# Altium PCB BreakOutBoard_Cyclone.PcbDoc (part 2 of 6)
Units mm, origin at the board's own origin, x right, y up, seen from the top; angles counter-clockwise.
Board outline 360 x 235.6 mm, 2 copper layers (Top Layer, Bottom Layer); 147 components, 204 nets, 2829 pads, 66 vias.
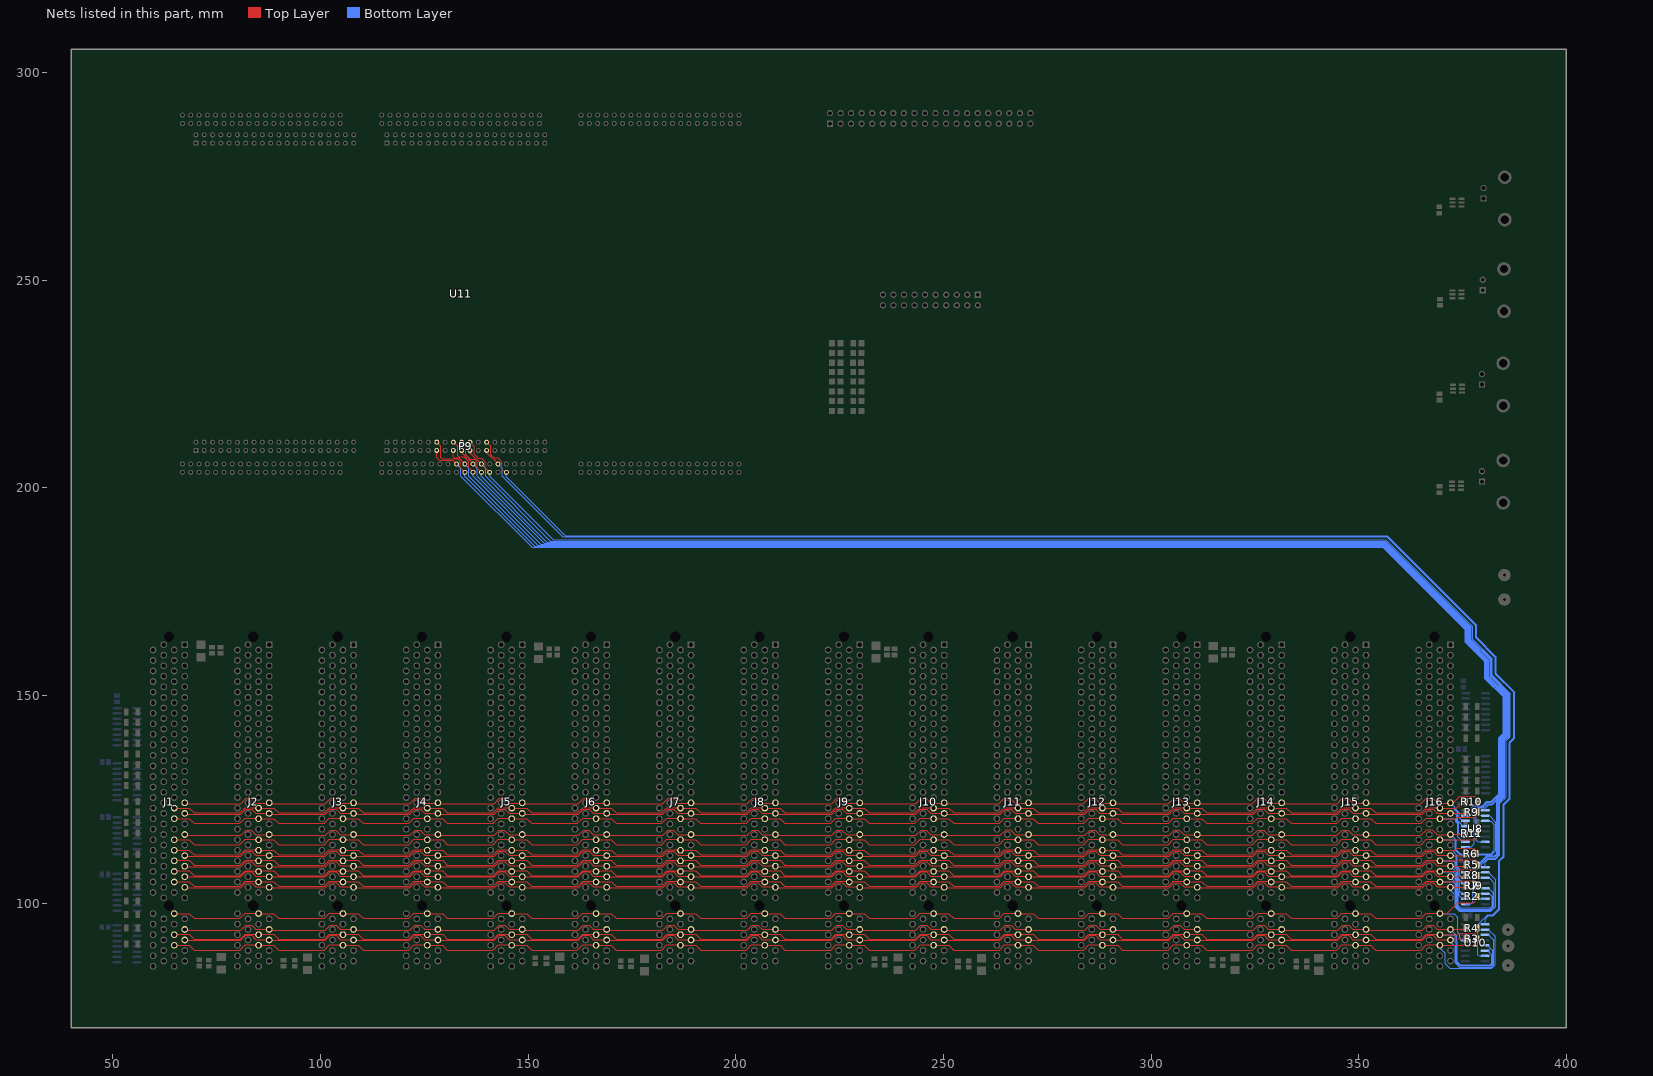
[diagram p2: the nets of this part, all layers, seen from the top]

## Via types
v1: diameter 0.6, hole 0.3, Top Layer to Bottom Layer, 50 vias
v2: diameter 5.5, hole 4.5, Top Layer to Bottom Layer, 15 vias
v3: diameter 1, hole 0.5, Top Layer to Bottom Layer, 1 vias

## Nets (pads, with @x,y where several pads share a name; then routed paths per layer and width w, separated by ;. In a path a pad name is that pad's centre, name@x,y a point inside that pad or via, vN(x,y) a via of type N, cw(c..) or ccw(c..) an arc to the next point about the centre after c; other vN are vias at no path point) (continued)
BUS1_P: J1.50 J2.50 J3.50 J4.50 J5.50 J6.50 J7.50 J8.50 J9.50 J10.50 J11.50 J12.50 J13.50 J14.50 J15.50 J16.50 R2.2 U10.13 | length 339.8
  Top Layer w0.127: J1.50@64.77,97.472 68.428,97.472 69.6,96.3 80.6,96.3 81.83,97.53 J2.50@85.032,97.53 ; J2.50@85.09,97.472 88.748,97.472 89.92,96.3 100.92,96.3 102.15,97.53 J3.50@105.352,97.53 ; J3.50@105.41,97.472 109.068,97.472 110.24,96.3 121.24,96.3 122.47,97.53 J4.50@125.672,97.53 ; J4.50@125.73,97.472 129.388,97.472 130.56,96.3 141.56,96.3 142.79,97.53 J5.50@145.992,97.53 ; J5.50@146.05,97.472 149.708,97.472 150.88,96.3 161.88,96.3 163.11,97.53 J6.50@166.312,97.53 ; J6.50@166.37,97.472 170.028,97.472 171.2,96.3 182.2,96.3 183.43,97.53 J7.50@186.632,97.53 ; J7.50@186.69,97.472 190.348,97.472 191.52,96.3 202.52,96.3 203.75,97.53 J8.50@206.952,97.53 ; J8.50@207.01,97.472 210.668,97.472 211.84,96.3 222.84,96.3 224.07,97.53 J9.50@227.272,97.53 ; J9.50@227.33,97.472 230.988,97.472 232.16,96.3 243.16,96.3 244.39,97.53 J10.50@247.592,97.53 ; J10.50@247.65,97.472 251.308,97.472 252.48,96.3 263.48,96.3 264.71,97.53 J11.50@267.912,97.53 ; J11.50@267.97,97.472 271.628,97.472 272.8,96.3 283.8,96.3 285.03,97.53 J12.50@288.232,97.53 ; J12.50@288.29,97.472 291.948,97.472 293.12,96.3 304.12,96.3 305.35,97.53 J13.50@308.552,97.53 ; J13.50@308.61,97.472 312.268,97.472 313.44,96.3 324.44,96.3 325.67,97.53 J14.50@328.872,97.53 ; J14.50@328.93,97.472 332.588,97.472 333.76,96.3 344.76,96.3 345.99,97.53 J15.50@349.192,97.53 ; J15.50@349.25,97.472 352.908,97.472 354.08,96.3 365.08,96.3 366.31,97.53 J16.50@369.512,97.53 ; J16.50@369.57,97.472 371.273,97.472 373.9,100.1 377.7,100.1 R2.2@378.5,100.9
  Bottom Layer w0.127: J16.50@369.57,97.472 372.978,97.472 373.92,96.531 373.92,93.029 374.374,92.575 374.374,91.686 U10.13@374.97,91.09
BUS2: P9.26 U10.1 U11.1B31 | length 339
  Top Layer w0.127: P9.26@140,211 141,210 141,208 141.8,207.2 142.7,207.2 143.7,206.2 143.7,204.5 144.45,203.75 U11.1B31@144.75,203.75
  Bottom Layer w0.127: U11.1B31@144.74,203.8 144.74,202.67 158.944,188.466 356.919,188.466 378.446,166.939 378.446,163.969 383.164,159.251 383.164,155.234 387.564,150.834 387.564,139.698 386.51,138.644 386.51,125.122 385.032,123.644 385.032,111.208 383.978,110.154 383.978,98.56 382.36,96.942 381.26,96.942 380.47,96.152 U10.1@380.47,94.885
BUS2_N: J1.56 J2.56 J3.56 J4.56 J5.56 J6.56 J7.56 J8.56 J9.56 J10.56 J11.56 J12.56 J13.56 J14.56 J15.56 J16.56 R3.1 U10.2 | length 355
  Top Layer w0.127: J1.56@64.77,89.872 68.428,89.872 69.6,88.7 80.6,88.7 81.83,89.93 J2.56@85.032,89.93 ; J2.56@85.09,89.872 88.748,89.872 89.92,88.7 100.92,88.7 102.15,89.93 J3.56@105.352,89.93 ; J3.56@105.41,89.872 109.068,89.872 110.24,88.7 121.24,88.7 122.47,89.93 J4.56@125.672,89.93 ; J4.56@125.73,89.872 129.388,89.872 130.56,88.7 141.56,88.7 142.79,89.93 J5.56@145.992,89.93 ; J5.56@146.05,89.872 149.708,89.872 150.88,88.7 161.88,88.7 163.11,89.93 J6.56@166.312,89.93 ; J6.56@166.37,89.872 170.028,89.872 171.2,88.7 182.2,88.7 183.43,89.93 J7.56@186.632,89.93 ; J7.56@186.69,89.872 190.348,89.872 191.52,88.7 202.52,88.7 203.75,89.93 J8.56@206.952,89.93 ; J8.56@207.01,89.872 210.668,89.872 211.84,88.7 222.84,88.7 224.07,89.93 J9.56@227.272,89.93 ; J9.56@227.33,89.872 230.988,89.872 232.16,88.7 243.16,88.7 244.39,89.93 J10.56@247.592,89.93 ; J10.56@247.65,89.872 251.308,89.872 252.48,88.7 263.48,88.7 264.71,89.93 J11.56@267.912,89.93 ; J11.56@267.97,89.872 271.628,89.872 272.8,88.7 283.8,88.7 285.03,89.93 J12.56@288.232,89.93 ; J12.56@288.29,89.872 291.948,89.872 293.12,88.7 304.12,88.7 305.35,89.93 J13.56@308.552,89.93 ; J13.56@308.61,89.872 312.268,89.872 313.44,88.7 324.44,88.7 325.67,89.93 J14.56@328.872,89.93 ; J14.56@328.93,89.872 332.588,89.872 333.76,88.7 344.76,88.7 345.99,89.93 J15.56@349.192,89.93 ; J15.56@349.25,89.872 352.908,89.872 354.08,88.7 365.08,88.7 366.31,89.93 J16.56@369.512,89.93 ; J16.56@369.57,89.852 377.553,89.852 R3.1@378.5,90.8
  Bottom Layer w0.127: J16.56@369.57,89.852 369.57,89.26 370.9,87.93 370.9,85.42 371.972,84.348 382.026,84.348 382.852,85.174 382.852,91.988 U10.2@381.21,93.63
BUS2_P: J1.55 J2.55 J3.55 J4.55 J5.55 J6.55 J7.55 J8.55 J9.55 J10.55 J11.55 J12.55 J13.55 J14.55 J15.55 J16.55 R3.2 U10.3 | length 343.1
  Top Layer w0.127: J1.55@67.506,91.006 80.835,91.006 82.032,92.203 83.436,92.203 84.437,91.202 J2.55@87.63,91.202 ; J2.55@87.826,91.006 101.155,91.006 102.352,92.203 103.756,92.203 104.757,91.202 J3.55@107.95,91.202 ; J3.55@108.146,91.006 121.475,91.006 122.672,92.203 124.076,92.203 125.077,91.202 J4.55@128.27,91.202 ; J4.55@128.466,91.006 141.795,91.006 142.992,92.203 144.396,92.203 145.397,91.202 J5.55@148.59,91.202 ; J5.55@148.786,91.006 162.115,91.006 163.312,92.203 164.716,92.203 165.717,91.202 J6.55@168.91,91.202 ; J6.55@169.106,91.006 182.435,91.006 183.632,92.203 185.036,92.203 186.037,91.202 J7.55@189.23,91.202 ; J7.55@189.426,91.006 202.755,91.006 203.952,92.203 205.356,92.203 206.357,91.202 J8.55@209.55,91.202 ; J8.55@209.746,91.006 223.075,91.006 224.272,92.203 225.676,92.203 226.677,91.202 J9.55@229.87,91.202 ; J9.55@230.066,91.006 243.395,91.006 244.592,92.203 245.996,92.203 246.997,91.202 J10.55@250.19,91.202 ; J10.55@250.386,91.006 263.715,91.006 264.912,92.203 266.316,92.203 267.317,91.202 J11.55@270.51,91.202 ; J11.55@270.706,91.006 284.035,91.006 285.232,92.203 286.636,92.203 287.637,91.202 J12.55@290.83,91.202 ; J12.55@291.026,91.006 304.355,91.006 305.552,92.203 306.956,92.203 307.957,91.202 J13.55@311.15,91.202 ; J13.55@311.346,91.006 324.675,91.006 325.872,92.203 327.276,92.203 328.277,91.202 J14.55@331.47,91.202 ; J14.55@331.666,91.006 344.995,91.006 346.192,92.203 347.596,92.203 348.597,91.202 J15.55@351.79,91.202 ; J15.55@351.986,91.006 365.315,91.006 366.512,92.203 367.916,92.203 368.917,91.202 J16.55@372.11,91.202 ; J16.55@372.1,91.1 372.4,91.4 R3.2@375.85,91.4
  Bottom Layer w0.127: J16.55@372.11,91.123 372.11,90.66 373.254,89.516 373.254,85.624 374.276,84.602 381.92,84.602 382.598,85.28 382.598,91.032 U10.3@381.23,92.4
BUS3: P9.25 U10.7 U11.1B30 | length 346.2
  Top Layer w0.127: P9.25@140,209 140,208.5 U11.1B30@142.75,205.75
  Bottom Layer w0.127: U11.1B30@142.74,205.72 143.74,204.72 143.74,202.85 158.378,188.212 356.814,188.212 378.192,166.834 378.192,163.864 382.91,159.146 382.91,155.129 387.31,150.729 387.31,139.803 386.256,138.749 386.256,125.227 384.778,123.749 384.778,111.313 383.724,110.259 383.724,98.665 382.255,97.196 381.154,97.196 378.7,94.742 378.7,87.6 379.035,87.265 U10.7@380.47,87.265
BUS3_N: J1.53 J2.53 J3.53 J4.53 J5.53 J6.53 J7.53 J8.53 J9.53 J10.53 J11.53 J12.53 J13.53 J14.53 J15.53 J16.53 R4.1 U10.6 | length 340.2
  Top Layer w0.127: J1.53@67.506,93.506 80.835,93.506 82.032,94.703 83.436,94.703 84.437,93.702 J2.53@87.63,93.702 ; J2.53@87.826,93.506 101.155,93.506 102.352,94.703 103.756,94.703 104.757,93.702 J3.53@107.95,93.702 ; J3.53@108.146,93.506 121.475,93.506 122.672,94.703 124.076,94.703 125.077,93.702 J4.53@128.27,93.702 ; J4.53@128.466,93.506 141.795,93.506 142.992,94.703 144.396,94.703 145.397,93.702 J5.53@148.59,93.702 ; J5.53@148.786,93.506 162.115,93.506 163.312,94.703 164.716,94.703 165.717,93.702 J6.53@168.91,93.702 ; J6.53@169.106,93.506 182.435,93.506 183.632,94.703 185.036,94.703 186.037,93.702 J7.53@189.23,93.702 ; J7.53@189.426,93.506 202.755,93.506 203.952,94.703 205.356,94.703 206.357,93.702 J8.53@209.55,93.702 ; J8.53@209.746,93.506 223.075,93.506 224.272,94.703 225.676,94.703 226.677,93.702 J9.53@229.87,93.702 ; J9.53@230.066,93.506 243.395,93.506 244.592,94.703 245.996,94.703 246.997,93.702 J10.53@250.19,93.702 ; J10.53@250.386,93.506 263.715,93.506 264.912,94.703 266.316,94.703 267.317,93.702 J11.53@270.51,93.702 ; J11.53@270.706,93.506 284.035,93.506 285.232,94.703 286.636,94.703 287.637,93.702 J12.53@290.83,93.702 ; J12.53@291.026,93.506 304.355,93.506 305.552,94.703 306.956,94.703 307.957,93.702 J13.53@311.15,93.702 ; J13.53@311.346,93.506 324.675,93.506 325.872,94.703 327.276,94.703 328.277,93.702 J14.53@331.47,93.702 ; J14.53@331.666,93.506 344.995,93.506 346.192,94.703 347.596,94.703 348.597,93.702 J15.53@351.79,93.702 ; J15.53@351.986,93.506 365.315,93.506 366.512,94.703 367.916,94.703 368.917,93.702 J16.53@372.11,93.702 ; J16.53@372.11,93.662 375.163,93.662 R4.1@375.8,94.3
  Bottom Layer w0.127: J16.53@372.11,93.662 373.576,92.197 373.576,90.663 373.762,90.477 373.762,85.848 374.5,85.11 381.71,85.11 382.09,85.49 382.09,87.46 U10.6@381.07,88.48
BUS3_P: J1.54 J2.54 J3.54 J4.54 J5.54 J6.54 J7.54 J8.54 J9.54 J10.54 J11.54 J12.54 J13.54 J14.54 J15.54 J16.54 R4.2 U10.5 | length 352.8
  Top Layer w0.127: J1.54@64.77,92.472 68.428,92.472 69.6,91.3 80.6,91.3 81.83,92.53 J2.54@85.032,92.53 ; J2.54@85.09,92.472 88.748,92.472 89.92,91.3 100.92,91.3 102.15,92.53 J3.54@105.352,92.53 ; J3.54@105.41,92.472 109.068,92.472 110.24,91.3 121.24,91.3 122.47,92.53 J4.54@125.672,92.53 ; J4.54@125.73,92.472 129.388,92.472 130.56,91.3 141.56,91.3 142.79,92.53 J5.54@145.992,92.53 ; J5.54@146.05,92.472 149.708,92.472 150.88,91.3 161.88,91.3 163.11,92.53 J6.54@166.312,92.53 ; J6.54@166.37,92.472 170.028,92.472 171.2,91.3 182.2,91.3 183.43,92.53 J7.54@186.632,92.53 ; J7.54@186.69,92.472 190.348,92.472 191.52,91.3 202.52,91.3 203.75,92.53 J8.54@206.952,92.53 ; J8.54@207.01,92.472 210.668,92.472 211.84,91.3 222.84,91.3 224.07,92.53 J9.54@227.272,92.53 ; J9.54@227.33,92.472 230.988,92.472 232.16,91.3 243.16,91.3 244.39,92.53 J10.54@247.592,92.53 ; J10.54@247.65,92.472 251.308,92.472 252.48,91.3 263.48,91.3 264.71,92.53 J11.54@267.912,92.53 ; J11.54@267.97,92.472 271.628,92.472 272.8,91.3 283.8,91.3 285.03,92.53 J12.54@288.232,92.53 ; J12.54@288.29,92.472 291.948,92.472 293.12,91.3 304.12,91.3 305.35,92.53 J13.54@308.552,92.53 ; J13.54@308.61,92.472 312.268,92.472 313.44,91.3 324.44,91.3 325.67,92.53 J14.54@328.872,92.53 ; J14.54@328.93,92.472 332.588,92.472 333.76,91.3 344.76,91.3 345.99,92.53 J15.54@349.192,92.53 ; J15.54@349.25,92.472 352.908,92.472 354.08,91.3 365.08,91.3 366.31,92.53 J16.54@369.512,92.53 ; J16.54@369.57,92.392 373.893,92.392 374.3,92.8 378.2,92.8 R4.2@378.6,93.2
  Bottom Layer w0.127: J16.54@369.57,92.392 372.989,92.392 373.322,92.06 373.322,90.558 373.508,90.372 373.508,85.743 374.395,84.856 381.815,84.856 382.344,85.385 382.344,88.566 U10.5@381.12,89.79
BUS4: P9.20 U9.9 U11.1B25 | length 340.6
  Top Layer w0.127: P9.20@134,211 135,210 135,208 136.1,206.9 137.2,206.9 137.8,206.3 137.8,204.7 U11.1B25@138.75,203.75
  Bottom Layer w0.127: U11.1B25@138.72,203.75 138.72,202.74 154.518,186.942 356.288,186.942 376.922,166.308 376.922,163.338 381.64,158.62 381.64,154.603 386.04,150.203 386.04,140.329 384.986,139.275 384.986,125.753 383.508,124.275 383.508,111.839 382.795,111.126 380.986,111.126 377.44,107.58 377.44,100.26 376.935,99.755 U9.9@375.7,99.755
BUS4_N: J1.43 J2.43 J3.43 J4.43 J5.43 J6.43 J7.43 J8.43 J9.43 J10.43 J11.43 J12.43 J13.43 J14.43 J15.43 J16.43 R5.1 U9.10 | length 328.2
  Top Layer w0.127: J1.43@67.506,108.806 80.835,108.806 82.032,110.003 83.436,110.003 84.437,109.002 J2.43@87.63,109.002 ; J2.43@87.826,108.806 101.155,108.806 102.352,110.003 103.756,110.003 104.757,109.002 J3.43@107.95,109.002 ; J3.43@108.146,108.806 121.475,108.806 122.672,110.003 124.076,110.003 125.077,109.002 J4.43@128.27,109.002 ; J4.43@128.466,108.806 141.795,108.806 142.992,110.003 144.396,110.003 145.397,109.002 J5.43@148.59,109.002 ; J5.43@148.786,108.806 162.115,108.806 163.312,110.003 164.716,110.003 165.717,109.002 J6.43@168.91,109.002 ; J6.43@169.106,108.806 182.435,108.806 183.632,110.003 185.036,110.003 186.037,109.002 J7.43@189.23,109.002 ; J7.43@189.426,108.806 202.755,108.806 203.952,110.003 205.356,110.003 206.357,109.002 J8.43@209.55,109.002 ; J8.43@209.746,108.806 223.075,108.806 224.272,110.003 225.676,110.003 226.677,109.002 J9.43@229.87,109.002 ; J9.43@230.066,108.806 243.395,108.806 244.592,110.003 245.996,110.003 246.997,109.002 J10.43@250.19,109.002 ; J10.43@250.386,108.806 263.715,108.806 264.912,110.003 266.316,110.003 267.317,109.002 J11.43@270.51,109.002 ; J11.43@270.706,108.806 284.035,108.806 285.232,110.003 286.636,110.003 287.637,109.002 J12.43@290.83,109.002 ; J12.43@291.026,108.806 304.355,108.806 305.552,110.003 306.956,110.003 307.957,109.002 J13.43@311.15,109.002 ; J13.43@311.346,108.806 324.675,108.806 325.872,110.003 327.276,110.003 328.277,109.002 J14.43@331.47,109.002 ; J14.43@331.666,108.806 344.995,108.806 346.192,110.003 347.596,110.003 348.597,109.002 J15.43@351.79,109.002 ; J15.43@351.986,108.806 365.315,108.806 366.512,110.003 367.916,110.003 368.917,109.002 J16.43@372.11,109.002 ; J16.43@372.11,108.902 375.303,108.902 R5.1@375.7,109.3
  Bottom Layer w0.127: J16.43@372.11,108.902 373.538,107.474 373.538,105.721 374.046,105.213 374.046,102.732 374.28,102.498 374.28,101.82 374.9,101.2 U9.10@374.9,101.1
BUS4_P: J1.42 J2.42 J3.42 J4.42 J5.42 J6.42 J7.42 J8.42 J9.42 J10.42 J11.42 J12.42 J13.42 J14.42 J15.42 J16.42 R5.2 U9.11 | length 340.2
  Top Layer w0.127: J1.42@64.77,110.272 68.428,110.272 69.6,109.1 80.6,109.1 81.83,110.33 J2.42@85.032,110.33 ; J2.42@85.09,110.272 88.748,110.272 89.92,109.1 100.92,109.1 102.15,110.33 J3.42@105.352,110.33 ; J3.42@105.41,110.272 109.068,110.272 110.24,109.1 121.24,109.1 122.47,110.33 J4.42@125.672,110.33 ; J4.42@125.73,110.272 129.388,110.272 130.56,109.1 141.56,109.1 142.79,110.33 J5.42@145.992,110.33 ; J5.42@146.05,110.272 149.708,110.272 150.88,109.1 161.88,109.1 163.11,110.33 J6.42@166.312,110.33 ; J6.42@166.37,110.272 170.028,110.272 171.2,109.1 182.2,109.1 183.43,110.33 J7.42@186.632,110.33 ; J7.42@186.69,110.272 190.348,110.272 191.52,109.1 202.52,109.1 203.75,110.33 J8.42@206.952,110.33 ; J8.42@207.01,110.272 210.668,110.272 211.84,109.1 222.84,109.1 224.07,110.33 J9.42@227.272,110.33 ; J9.42@227.33,110.272 230.988,110.272 232.16,109.1 243.16,109.1 244.39,110.33 J10.42@247.592,110.33 ; J10.42@247.65,110.272 251.308,110.272 252.48,109.1 263.48,109.1 264.71,110.33 J11.42@267.912,110.33 ; J11.42@267.97,110.272 271.628,110.272 272.8,109.1 283.8,109.1 285.03,110.33 J12.42@288.232,110.33 ; J12.42@288.29,110.272 291.948,110.272 293.12,109.1 304.12,109.1 305.35,110.33 J13.42@308.552,110.33 ; J13.42@308.61,110.272 312.268,110.272 313.44,109.1 324.44,109.1 325.67,110.33 J14.42@328.872,110.33 ; J14.42@328.93,110.272 332.588,110.272 333.76,109.1 344.76,109.1 345.99,110.33 J15.42@349.192,110.33 ; J15.42@349.25,110.272 352.908,110.272 354.08,109.1 365.08,109.1 366.31,110.33 J16.42@369.512,110.33 ; J16.42@369.57,110.172 373.572,110.172 373.9,110.5 378.2,110.5 R5.2@378.7,110
  Bottom Layer w0.127: J16.42@369.57,110.172 372.819,110.172 373.292,109.7 373.292,108.4 373.792,107.9 373.792,105.826 374.3,105.318 374.3,102.9 U9.11@374.8,102.4
BUS5: P9.19 U9.15 U11.1B24 | length 330.3
  Top Layer w0.127: P9.19@134,209 134,208.5 U11.1B24@136.75,205.75
  Bottom Layer w0.127: U11.1B24@136.74,205.72 137.75,204.71 137.75,202.84 153.902,186.688 356.183,186.688 376.668,166.203 376.668,163.233 381.386,158.515 381.386,154.498 385.786,150.098 385.786,140.435 384.732,139.381 384.732,125.858 383.254,124.38 383.254,111.944 382.69,111.38 380.86,111.38 377.51,108.03 377.18,108.03 376.525,107.375 U9.15@375.7,107.375
BUS5_N: J1.40 J2.40 J3.40 J4.40 J5.40 J6.40 J7.40 J8.40 J9.40 J10.40 J11.40 J12.40 J13.40 J14.40 J15.40 J16.40 R6.1 U9.14 | length 339.1
  Top Layer w0.127: J1.40@64.77,112.772 68.428,112.772 69.6,111.6 80.6,111.6 81.83,112.83 J2.40@85.032,112.83 ; J2.40@85.09,112.772 88.748,112.772 89.92,111.6 100.92,111.6 102.15,112.83 J3.40@105.352,112.83 ; J3.40@105.41,112.772 109.068,112.772 110.24,111.6 121.24,111.6 122.47,112.83 J4.40@125.672,112.83 ; J4.40@125.73,112.772 129.388,112.772 130.56,111.6 141.56,111.6 142.79,112.83 J5.40@145.992,112.83 ; J5.40@146.05,112.772 149.708,112.772 150.88,111.6 161.88,111.6 163.11,112.83 J6.40@166.312,112.83 ; J6.40@166.37,112.772 170.028,112.772 171.2,111.6 182.2,111.6 183.43,112.83 J7.40@186.632,112.83 ; J7.40@186.69,112.772 190.348,112.772 191.52,111.6 202.52,111.6 203.75,112.83 J8.40@206.952,112.83 ; J8.40@207.01,112.772 210.668,112.772 211.84,111.6 222.84,111.6 224.07,112.83 J9.40@227.272,112.83 ; J9.40@227.33,112.772 230.988,112.772 232.16,111.6 243.16,111.6 244.39,112.83 J10.40@247.592,112.83 ; J10.40@247.65,112.772 251.308,112.772 252.48,111.6 263.48,111.6 264.71,112.83 J11.40@267.912,112.83 ; J11.40@267.97,112.772 271.628,112.772 272.8,111.6 283.8,111.6 285.03,112.83 J12.40@288.232,112.83 ; J12.40@288.29,112.772 291.948,112.772 293.12,111.6 304.12,111.6 305.35,112.83 J13.40@308.552,112.83 ; J13.40@308.61,112.772 312.268,112.772 313.44,111.6 324.44,111.6 325.67,112.83 J14.40@328.872,112.83 ; J14.40@328.93,112.772 332.588,112.772 333.76,111.6 344.76,111.6 345.99,112.83 J15.40@349.192,112.83 ; J15.40@349.25,112.772 352.908,112.772 354.08,111.6 365.08,111.6 366.31,112.83 J16.40@369.512,112.83 ; J16.40@369.57,112.712 373.312,112.712 373.8,113.2 377.9,113.2 R6.1@378.7,112.4
  Bottom Layer w0.127: J16.40@369.57,112.712 372.487,112.712 373.8,111.4 373.8,108.7 374.3,108.2 374.3,106.7 U9.14@374.9,106.1
BUS5_P: J1.41 J2.41 J3.41 J4.41 J5.41 J6.41 J7.41 J8.41 J9.41 J10.41 J11.41 J12.41 J13.41 J14.41 J15.41 J16.41 R6.2 U9.13 | length 331.8
  Top Layer w0.127: J1.41@67.31,111.502 67.506,111.306 80.835,111.306 82.032,112.503 83.436,112.503 84.437,111.502 87.63,111.502 87.826,111.306 101.155,111.306 102.352,112.503 103.756,112.503 104.757,111.502 107.95,111.502 108.146,111.306 121.475,111.306 122.672,112.503 124.076,112.503 125.077,111.502 128.27,111.502 128.466,111.306 141.795,111.306 142.992,112.503 144.396,112.503 145.397,111.502 148.59,111.502 148.786,111.306 162.115,111.306 163.312,112.503 164.716,112.503 165.717,111.502 168.91,111.502 169.106,111.306 182.435,111.306 183.632,112.503 185.036,112.503 186.037,111.502 189.23,111.502 189.426,111.306 202.755,111.306 203.952,112.503 205.356,112.503 206.357,111.502 209.55,111.502 209.746,111.306 223.075,111.306 224.272,112.503 225.676,112.503 226.677,111.502 229.87,111.502 230.066,111.306 243.395,111.306 244.592,112.503 245.996,112.503 246.997,111.502 250.19,111.502 250.386,111.306 263.715,111.306 264.912,112.503 266.316,112.503 267.317,111.502 270.51,111.502 270.706,111.306 284.035,111.306 285.232,112.503 286.636,112.503 287.637,111.502 290.83,111.502 291.026,111.306 304.355,111.306 305.552,112.503 306.956,112.503 307.957,111.502 311.15,111.502 311.346,111.306 324.675,111.306 325.872,112.503 327.276,112.503 328.277,111.502 331.47,111.502 331.666,111.306 344.995,111.306 346.192,112.503 347.596,112.503 348.597,111.502 351.79,111.502 351.986,111.306 365.315,111.306 366.512,112.503 367.916,112.503 368.917,111.502 J16.41@372.11,111.502 ; J16.41@372.11,111.442 375.443,111.442 R6.2@375.7,111.7
  Bottom Layer w0.127: J16.41@372.11,111.442 373.103,111.442 373.546,111 373.546,108.595 374.046,108.095 374.046,105.932 375.1,104.878 U9.13@375.1,104.8
BUS6: P9.22 U9.1 U11.1B27 | length 327.6
  Top Layer w0.127: P9.22@136,211 137,210 137,208.1 138,207.1 138.8,207.1 139.7,206.2 139.7,204.8 U11.1B27@140.75,203.75
  Bottom Layer w0.127: U11.1B27@140.7,203.73 140.7,202.79 156.04,187.45 356.498,187.45 377.43,166.518 377.43,163.548 382.148,158.83 382.148,154.813 386.548,150.413 386.548,140.119 385.494,139.065 385.494,125.543 384.016,124.065 384.016,111.628 382.968,110.58 381.19,110.58 380.5,109.89 U9.1@380.5,108.645
BUS6_N: J1.47 J2.47 J3.47 J4.47 J5.47 J6.47 J7.47 J8.47 J9.47 J10.47 J11.47 J12.47 J13.47 J14.47 J15.47 J16.47 R7.1 U9.2 | length 344.3
  Top Layer w0.127: J1.47@67.506,103.706 80.835,103.706 82.032,104.903 83.436,104.903 84.437,103.902 J2.47@87.63,103.902 ; J2.47@87.826,103.706 101.155,103.706 102.352,104.903 103.756,104.903 104.757,103.902 J3.47@107.95,103.902 ; J3.47@108.146,103.706 121.475,103.706 122.672,104.903 124.076,104.903 125.077,103.902 J4.47@128.27,103.902 ; J4.47@128.466,103.706 141.795,103.706 142.992,104.903 144.396,104.903 145.397,103.902 J5.47@148.59,103.902 ; J5.47@148.786,103.706 162.115,103.706 163.312,104.903 164.716,104.903 165.717,103.902 J6.47@168.91,103.902 ; J6.47@169.106,103.706 182.435,103.706 183.632,104.903 185.036,104.903 186.037,103.902 J7.47@189.23,103.902 ; J7.47@189.426,103.706 202.755,103.706 203.952,104.903 205.356,104.903 206.357,103.902 J8.47@209.55,103.902 ; J8.47@209.746,103.706 223.075,103.706 224.272,104.903 225.676,104.903 226.677,103.902 J9.47@229.87,103.902 ; J9.47@230.066,103.706 243.395,103.706 244.592,104.903 245.996,104.903 246.997,103.902 J10.47@250.19,103.902 ; J10.47@250.386,103.706 263.715,103.706 264.912,104.903 266.316,104.903 267.317,103.902 J11.47@270.51,103.902 ; J11.47@270.706,103.706 284.035,103.706 285.232,104.903 286.636,104.903 287.637,103.902 J12.47@290.83,103.902 ; J12.47@291.026,103.706 304.355,103.706 305.552,104.903 306.956,104.903 307.957,103.902 J13.47@311.15,103.902 ; J13.47@311.346,103.706 324.675,103.706 325.872,104.903 327.276,104.903 328.277,103.902 J14.47@331.47,103.902 ; J14.47@331.666,103.706 344.995,103.706 346.192,104.903 347.596,104.903 348.597,103.902 J15.47@351.79,103.902 ; J15.47@351.986,103.706 365.315,103.706 366.512,104.903 367.916,104.903 368.917,103.902 J16.47@372.11,103.902 ; J16.47@372.11,103.822 375.523,103.822 R7.1@375.84,104.14 R7.1@375.9,104.2
  Bottom Layer w0.127: J16.47@372.11,103.822 372.11,103.1 373.264,101.946 373.264,99.028 374.242,98.05 374.273,98.05 374.324,98 381.878,98 382.962,99.084 382.962,105.658 U9.2@381.23,107.39
BUS6_P: J1.46 J2.46 J3.46 J4.46 J5.46 J6.46 J7.46 J8.46 J9.46 J10.46 J11.46 J12.46 J13.46 J14.46 J15.46 J16.46 R7.2 U9.3 | length 355.1
  Top Layer w0.127: J1.46@64.77,105.172 68.428,105.172 69.6,104 80.6,104 81.83,105.23 J2.46@85.032,105.23 ; J2.46@85.09,105.172 88.748,105.172 89.92,104 100.92,104 102.15,105.23 J3.46@105.352,105.23 ; J3.46@105.41,105.172 109.068,105.172 110.24,104 121.24,104 122.47,105.23 J4.46@125.672,105.23 ; J4.46@125.73,105.172 129.388,105.172 130.56,104 141.56,104 142.79,105.23 J5.46@145.992,105.23 ; J5.46@146.05,105.172 149.708,105.172 150.88,104 161.88,104 163.11,105.23 J6.46@166.312,105.23 ; J6.46@166.37,105.172 170.028,105.172 171.2,104 182.2,104 183.43,105.23 J7.46@186.632,105.23 ; J7.46@186.69,105.172 190.348,105.172 191.52,104 202.52,104 203.75,105.23 J8.46@206.952,105.23 ; J8.46@207.01,105.172 210.668,105.172 211.84,104 222.84,104 224.07,105.23 J9.46@227.272,105.23 ; J9.46@227.33,105.172 230.988,105.172 232.16,104 243.16,104 244.39,105.23 J10.46@247.592,105.23 ; J10.46@247.65,105.172 251.308,105.172 252.48,104 263.48,104 264.71,105.23 J11.46@267.912,105.23 ; J11.46@267.97,105.172 271.628,105.172 272.8,104 283.8,104 285.03,105.23 J12.46@288.232,105.23 ; J12.46@288.29,105.172 291.948,105.172 293.12,104 304.12,104 305.35,105.23 J13.46@308.552,105.23 ; J13.46@308.61,105.172 312.268,105.172 313.44,104 324.44,104 325.67,105.23 J14.46@328.872,105.23 ; J14.46@328.93,105.172 332.588,105.172 333.76,104 344.76,104 345.99,105.23 J15.46@349.192,105.23 ; J15.46@349.25,105.172 352.908,105.172 354.08,104 365.08,104 366.31,105.23 J16.46@369.512,105.23 ; J16.46@369.57,105.093 373.893,105.093 374.2,105.4 378,105.4 R7.2@378.6,104.8
  Bottom Layer w0.127: J16.46@369.57,105.093 372.691,105.093 373.284,104.5 373.284,102.416 373.518,102.182 373.518,99.134 374.347,98.304 374.378,98.304 374.403,98.28 381.798,98.28 382.708,99.19 382.708,104.792 U9.3@381.4,106.1
BUS7: P9.21 U9.7 U11.1B26 | length 336.1
  Top Layer w0.127: P9.21@136,209 136,208.5 U11.1B26@138.75,205.75
  Bottom Layer w0.127: U11.1B26@138.72,205.73 139.78,204.67 139.78,202.74 155.324,187.196 356.393,187.196 377.176,166.413 377.176,163.443 381.894,158.725 381.894,154.708 386.294,150.308 386.294,140.224 385.24,139.17 385.24,125.648 383.762,124.17 383.762,111.734 382.888,110.86 381.079,110.86 377.71,107.491 377.71,102.19 378.875,101.025 U9.7@380.5,101.025
BUS7_N: J1.44 J2.44 J3.44 J4.44 J5.44 J6.44 J7.44 J8.44 J9.44 J10.44 J11.44 J12.44 J13.44 J14.44 J15.44 J16.44 R8.1 U9.6 | length 352.3
  Top Layer w0.127: J1.44@64.77,107.772 68.428,107.772 69.6,106.6 80.6,106.6 81.83,107.83 J2.44@85.032,107.83 ; J2.44@85.09,107.772 88.748,107.772 89.92,106.6 100.92,106.6 102.15,107.83 J3.44@105.352,107.83 ; J3.44@105.41,107.772 109.068,107.772 110.24,106.6 121.24,106.6 122.47,107.83 J4.44@125.672,107.83 ; J4.44@125.73,107.772 129.388,107.772 130.56,106.6 141.56,106.6 142.79,107.83 J5.44@145.992,107.83 ; J5.44@146.05,107.772 149.708,107.772 150.88,106.6 161.88,106.6 163.11,107.83 J6.44@166.312,107.83 ; J6.44@166.37,107.772 170.028,107.772 171.2,106.6 182.2,106.6 183.43,107.83 J7.44@186.632,107.83 ; J7.44@186.69,107.772 190.348,107.772 191.52,106.6 202.52,106.6 203.75,107.83 J8.44@206.952,107.83 ; J8.44@207.01,107.772 210.668,107.772 211.84,106.6 222.84,106.6 224.07,107.83 J9.44@227.272,107.83 ; J9.44@227.33,107.772 230.988,107.772 232.16,106.6 243.16,106.6 244.39,107.83 J10.44@247.592,107.83 ; J10.44@247.65,107.772 251.308,107.772 252.48,106.6 263.48,106.6 264.71,107.83 J11.44@267.912,107.83 ; J11.44@267.97,107.772 271.628,107.772 272.8,106.6 283.8,106.6 285.03,107.83 J12.44@288.232,107.83 ; J12.44@288.29,107.772 291.948,107.772 293.12,106.6 304.12,106.6 305.35,107.83 J13.44@308.552,107.83 ; J13.44@308.61,107.772 312.268,107.772 313.44,106.6 324.44,106.6 325.67,107.83 J14.44@328.872,107.83 ; J14.44@328.93,107.772 332.588,107.772 333.76,106.6 344.76,106.6 345.99,107.83 J15.44@349.192,107.83 ; J15.44@349.25,107.772 352.908,107.772 354.08,106.6 365.08,106.6 366.31,107.83 J16.44@369.512,107.83 ; J16.44@369.57,107.632 373.733,107.632 374.1,108 377.9,108 R8.1@378.7,107.2
  Bottom Layer w0.127: J16.44@369.57,107.632 369.602,107.6 372.684,107.6 373.284,107 373.284,105.616 373.792,105.108 373.792,102.626 374.026,102.392 374.026,99.344 374.534,98.836 381.636,98.836 382.2,99.4 382.2,101.5 U9.6@381.4,102.3
BUS7_P: J1.45 J2.45 J3.45 J4.45 J5.45 J6.45 J7.45 J8.45 J9.45 J10.45 J11.45 J12.45 J13.45 J14.45 J15.45 J16.45 R8.2 U9.5 | length 341
  Top Layer w0.127: J1.45@67.506,106.306 80.835,106.306 82.032,107.503 83.436,107.503 84.437,106.502 J2.45@87.63,106.502 ; J2.45@87.826,106.306 101.155,106.306 102.352,107.503 103.756,107.503 104.757,106.502 J3.45@107.95,106.502 ; J3.45@108.146,106.306 121.475,106.306 122.672,107.503 124.076,107.503 125.077,106.502 J4.45@128.27,106.502 ; J4.45@128.466,106.306 141.795,106.306 142.992,107.503 144.396,107.503 145.397,106.502 J5.45@148.59,106.502 ; J5.45@148.786,106.306 162.115,106.306 163.312,107.503 164.716,107.503 165.717,106.502 J6.45@168.91,106.502 ; J6.45@169.106,106.306 182.435,106.306 183.632,107.503 185.036,107.503 186.037,106.502 J7.45@189.23,106.502 ; J7.45@189.426,106.306 202.755,106.306 203.952,107.503 205.356,107.503 206.357,106.502 J8.45@209.55,106.502 ; J8.45@209.746,106.306 223.075,106.306 224.272,107.503 225.676,107.503 226.677,106.502 J9.45@229.87,106.502 ; J9.45@230.066,106.306 243.395,106.306 244.592,107.503 245.996,107.503 246.997,106.502 J10.45@250.19,106.502 ; J10.45@250.386,106.306 263.715,106.306 264.912,107.503 266.316,107.503 267.317,106.502 J11.45@270.51,106.502 ; J11.45@270.706,106.306 284.035,106.306 285.232,107.503 286.636,107.503 287.637,106.502 J12.45@290.83,106.502 ; J12.45@291.026,106.306 304.355,106.306 305.552,107.503 306.956,107.503 307.957,106.502 J13.45@311.15,106.502 ; J13.45@311.346,106.306 324.675,106.306 325.872,107.503 327.276,107.503 328.277,106.502 J14.45@331.47,106.502 ; J14.45@331.666,106.306 344.995,106.306 346.192,107.503 347.596,107.503 348.597,106.502 J15.45@351.79,106.502 ; J15.45@351.986,106.306 365.315,106.306 366.512,107.503 367.916,107.503 368.917,106.502 J16.45@372.11,106.502 ; J16.45@372.11,106.362 375.563,106.362 R8.2@375.8,106.6
  Bottom Layer w0.127: J16.45@372.11,106.362 372.11,106.19 373.538,104.762 373.538,102.521 373.772,102.287 373.772,99.239 374.451,98.56 381.719,98.56 382.454,99.295 382.454,102.446 U9.5@381.4,103.5
BUS8: P9.14 U8.9 U11.1B21 | length 332.2
  Top Layer w0.127: P9.14@128,211 129,210 129,207.2 129.246,206.954 133.046,206.954 133.7,206.3 133.7,204.8 U11.1B21@134.75,203.75
  Bottom Layer w0.127: U11.1B21@134.73,203.74 134.73,202.76 151.564,185.926 355.867,185.926 375.906,165.887 375.906,162.917 380.624,158.199 380.624,154.182 385.024,149.782 385.024,140.75 383.97,139.696 383.97,126.174 382.026,124.23 380.983,124.23 379.945,123.192 378.1,123.192 377.8,122.892 377.8,114.3 376.955,113.455 U8.9@375.7,113.455
BUS8_N: J1.34 J2.34 J3.34 J4.34 J5.34 J6.34 J7.34 J8.34 J9.34 J10.34 J11.34 J12.34 J13.34 J14.34 J15.34 J16.34 R9.1 U8.10 | length 338.2
  Top Layer w0.127: J1.34@64.77,120.372 68.428,120.372 69.6,119.2 80.6,119.2 81.83,120.43 J2.34@85.032,120.43 ; J2.34@85.09,120.372 88.748,120.372 89.92,119.2 100.92,119.2 102.15,120.43 J3.34@105.352,120.43 ; J3.34@105.41,120.372 109.068,120.372 110.24,119.2 121.24,119.2 122.47,120.43 J4.34@125.672,120.43 ; J4.34@125.73,120.372 129.388,120.372 130.56,119.2 141.56,119.2 142.79,120.43 J5.34@145.992,120.43 ; J5.34@146.05,120.372 149.708,120.372 150.88,119.2 161.88,119.2 163.11,120.43 J6.34@166.312,120.43 ; J6.34@166.37,120.372 170.028,120.372 171.2,119.2 182.2,119.2 183.43,120.43 J7.34@186.632,120.43 ; J7.34@186.69,120.372 190.348,120.372 191.52,119.2 202.52,119.2 203.75,120.43 J8.34@206.952,120.43 ; J8.34@207.01,120.372 210.668,120.372 211.84,119.2 222.84,119.2 224.07,120.43 J9.34@227.272,120.43 ; J9.34@227.33,120.372 230.988,120.372 232.16,119.2 243.16,119.2 244.39,120.43 J10.34@247.592,120.43 ; J10.34@247.65,120.372 251.308,120.372 252.48,119.2 263.48,119.2 264.71,120.43 J11.34@267.912,120.43 ; J11.34@267.97,120.372 271.628,120.372 272.8,119.2 283.8,119.2 285.03,120.43 J12.34@288.232,120.43 ; J12.34@288.29,120.372 291.948,120.372 293.12,119.2 304.12,119.2 305.35,120.43 J13.34@308.552,120.43 ; J13.34@308.61,120.372 312.268,120.372 313.44,119.2 324.44,119.2 325.67,120.43 J14.34@328.872,120.43 ; J14.34@328.93,120.372 332.588,120.372 333.76,119.2 344.76,119.2 345.99,120.43 J15.34@349.192,120.43 ; J15.34@349.25,120.372 352.908,120.372 354.08,119.2 365.08,119.2 366.31,120.43 J16.34@369.512,120.43 ; J16.34@369.57,120.332 373.232,120.332 373.6,120.7 378,120.7 R9.1@378.6,121.3
  Bottom Layer w0.127: J16.34@369.57,120.332 373.16,120.332 373.392,120.1 373.392,119.549 373.846,119.095 373.846,115.954 U8.10@375,114.8
BUS8_P: J1.33 J2.33 J3.33 J4.33 J5.33 J6.33 J7.33 J8.33 J9.33 J10.33 J11.33 J12.33 J13.33 J14.33 J15.33 J16.33 R9.2 U8.11 | length 326.8
  Top Layer w0.127: J1.33@67.506,121.406 80.835,121.406 82.032,122.603 83.436,122.603 84.437,121.602 J2.33@87.63,121.602 ; J2.33@87.826,121.406 101.155,121.406 102.352,122.603 103.756,122.603 104.757,121.602 J3.33@107.95,121.602 ; J3.33@108.146,121.406 121.475,121.406 122.672,122.603 124.076,122.603 125.077,121.602 J4.33@128.27,121.602 ; J4.33@128.466,121.406 141.795,121.406 142.992,122.603 144.396,122.603 145.397,121.602 J5.33@148.59,121.602 ; J5.33@148.786,121.406 162.115,121.406 163.312,122.603 164.716,122.603 165.717,121.602 J6.33@168.91,121.602 ; J6.33@169.106,121.406 182.435,121.406 183.632,122.603 185.036,122.603 186.037,121.602 J7.33@189.23,121.602 ; J7.33@189.426,121.406 202.755,121.406 203.952,122.603 205.356,122.603 206.357,121.602 J8.33@209.55,121.602 ; J8.33@209.746,121.406 223.075,121.406 224.272,122.603 225.676,122.603 226.677,121.602 J9.33@229.87,121.602 ; J9.33@230.066,121.406 243.395,121.406 244.592,122.603 245.996,122.603 246.997,121.602 J10.33@250.19,121.602 ; J10.33@250.386,121.406 263.715,121.406 264.912,122.603 266.316,122.603 267.317,121.602 J11.33@270.51,121.602 ; J11.33@270.706,121.406 284.035,121.406 285.232,122.603 286.636,122.603 287.637,121.602 J12.33@290.83,121.602 ; J12.33@291.026,121.406 304.355,121.406 305.552,122.603 306.956,122.603 307.957,121.602 J13.33@311.15,121.602 ; J13.33@311.346,121.406 324.675,121.406 325.872,122.603 327.276,122.603 328.277,121.602 J14.33@331.47,121.602 ; J14.33@331.666,121.406 344.995,121.406 346.192,122.603 347.596,122.603 348.597,121.602 J15.33@351.79,121.602 ; J15.33@351.986,121.406 365.315,121.406 366.512,122.603 367.916,122.603 368.917,121.602 J16.33@372.11,121.602 375.503,121.602 R9.2@375.9,122
  Bottom Layer w0.127: J16.33@372.11,121.602 373.143,121.602 373.646,121.1 373.646,119.654 374.1,119.2 374.1,116.8 U8.11@374.9,116
BUS9: P9.13 U8.15 U11.1B20 | length 322.3
  Top Layer w0.127: P9.13@128,209 128,207.3 128.6,206.7 131.8,206.7 U11.1B20@132.75,205.75
  Bottom Layer w0.127: U11.1B20@132.76,205.7 133.77,204.69 133.77,202.85 150.948,185.672 355.762,185.672 375.652,165.782 375.652,162.812 380.37,158.094 380.37,154.077 384.77,149.677 384.77,140.856 383.716,139.802 383.716,126.279 381.921,124.484 380.878,124.484 379.84,123.446 377.7,123.446 377.2,122.946 377.2,121.5 376.775,121.075 U8.15@375.7,121.075
BUS9_N: J1.31 J2.31 J3.31 J4.31 J5.31 J6.31 J7.31 J8.31 J9.31 J10.31 J11.31 J12.31 J13.31 J14.31 J15.31 J16.31 R10.1 U8.14 | length 333.8
  Top Layer w0.127: J1.31@67.31,124.103 67.506,123.906 80.835,123.906 82.129,125.2 83.339,125.2 84.437,124.103 87.63,124.103 87.826,123.906 101.155,123.906 102.449,125.2 103.659,125.2 104.757,124.103 107.95,124.103 108.146,123.906 121.475,123.906 122.769,125.2 123.979,125.2 125.077,124.103 128.27,124.103 128.466,123.906 141.795,123.906 143.089,125.2 144.299,125.2 145.397,124.103 148.59,124.103 148.786,123.906 162.115,123.906 163.409,125.2 164.619,125.2 165.717,124.103 168.91,124.103 169.106,123.906 182.435,123.906 183.729,125.2 184.939,125.2 186.037,124.103 189.23,124.103 189.426,123.906 202.755,123.906 204.049,125.2 205.259,125.2 206.357,124.103 209.55,124.103 209.746,123.906 223.075,123.906 224.369,125.2 225.579,125.2 226.677,124.103 229.87,124.103 230.066,123.906 243.395,123.906 244.689,125.2 245.899,125.2 246.997,124.103 250.19,124.103 250.386,123.906 263.306,123.906 264.7,125.3 266.119,125.3 267.317,124.103 270.51,124.103 270.706,123.906 283.706,123.906 285,125.2 286.539,125.2 287.637,124.103 290.83,124.103 291.026,123.906 304.206,123.906 305.6,125.3 306.759,125.3 307.957,124.103 311.15,124.103 311.346,123.906 324.406,123.906 325.7,125.2 327.179,125.2 328.277,124.103 331.47,124.103 331.666,123.906 344.806,123.906 346.1,125.2 347.499,125.2 348.597,124.103 351.79,124.103 351.986,123.906 365.006,123.906 366.3,125.2 367.819,125.2 368.917,124.103 J16.31@372.11,124.103 ; J16.31@372.11,124.142 372.743,124.142 374.3,125.7 378,125.7 R10.1@378.6,125.1
  Bottom Layer w0.127: J16.31@372.11,124.142 373.2,123.052 373.2,122.8 374.2,121.8 374.2,120.6 U8.14@374.9,119.9
BUS9_P: J1.32 J2.32 J3.32 J4.32 J5.32 J6.32 J7.32 J8.32 J9.32 J10.32 J11.32 J12.32 J13.32 J14.32 J15.32 J16.32 R10.2 U8.13 | length 334.2
  Top Layer w0.127: J1.32@64.77,122.872 68.428,122.872 69.6,121.7 80.6,121.7 81.83,122.93 J2.32@85.032,122.93 ; J2.32@85.09,122.872 88.748,122.872 89.92,121.7 100.92,121.7 102.15,122.93 J3.32@105.352,122.93 ; J3.32@105.41,122.872 109.068,122.872 110.24,121.7 121.24,121.7 122.47,122.93 J4.32@125.672,122.93 ; J4.32@125.73,122.872 129.388,122.872 130.56,121.7 141.56,121.7 142.79,122.93 J5.32@145.992,122.93 ; J5.32@146.05,122.872 149.708,122.872 150.88,121.7 161.88,121.7 163.11,122.93 J6.32@166.312,122.93 ; J6.32@166.37,122.872 170.028,122.872 171.2,121.7 182.2,121.7 183.43,122.93 J7.32@186.632,122.93 ; J7.32@186.69,122.872 190.348,122.872 191.52,121.7 202.52,121.7 203.75,122.93 J8.32@206.952,122.93 ; J8.32@207.01,122.872 210.668,122.872 211.84,121.7 222.84,121.7 224.07,122.93 J9.32@227.272,122.93 ; J9.32@227.33,122.872 230.988,122.872 232.16,121.7 243.16,121.7 244.39,122.93 J10.32@247.592,122.93 ; J10.32@247.65,122.872 251.308,122.872 252.48,121.7 263.48,121.7 264.71,122.93 J11.32@267.912,122.93 ; J11.32@267.97,122.872 271.628,122.872 272.8,121.7 283.8,121.7 285.03,122.93 J12.32@288.232,122.93 ; J12.32@288.29,122.872 291.948,122.872 293.12,121.7 304.12,121.7 305.35,122.93 J13.32@308.552,122.93 ; J13.32@308.61,122.872 312.268,122.872 313.44,121.7 324.44,121.7 325.67,122.93 J14.32@328.872,122.93 ; J14.32@328.93,122.872 332.588,122.872 333.76,121.7 344.76,121.7 345.99,122.93 J15.32@349.192,122.93 ; J15.32@349.25,122.872 352.908,122.872 354.08,121.7 365.08,121.7 366.31,122.93 J16.32@369.512,122.93 ; J16.32@369.57,122.872 373.472,122.872 375.1,124.5 R10.2@375.8,124.5
  Bottom Layer w0.127: J16.32@369.57,122.872 372.768,122.872 373.9,121.741 373.9,119.8 U8.13@375.1,118.6
BUS10: P9.18 U8.1 U11.1B23 | length 316
  Top Layer w0.127: P9.18@132,211 133,210 133,207.7 133.238,207.462 134.538,207.462 135.7,206.3 135.7,204.8 U11.1B23@136.75,203.75
  Bottom Layer w0.127: U11.1B23@136.74,203.75 136.74,202.75 153.056,186.434 356.077,186.434 376.414,166.097 376.414,163.127 381.132,158.409 381.132,154.392 385.532,149.992 385.532,140.54 384.478,139.486 384.478,125.964 382.214,123.7 381.3,123.7 380.5,122.9 U8.1@380.5,122.345
BUS10_N: J1.38 J2.38 J3.38 J4.38 J5.38 J6.38 J7.38 J8.38 J9.38 J10.38 J11.38 J12.38 J13.38 J14.38 J15.38 J16.38 R11.1 U8.2 | length 354.1
  Top Layer w0.127: J1.38@64.77,115.272 68.428,115.272 69.6,114.1 80.6,114.1 81.83,115.33 J2.38@85.032,115.33 ; J2.38@85.09,115.272 88.748,115.272 89.92,114.1 100.92,114.1 102.15,115.33 J3.38@105.352,115.33 ; J3.38@105.41,115.272 109.068,115.272 110.24,114.1 121.24,114.1 122.47,115.33 J4.38@125.672,115.33 ; J4.38@125.73,115.272 129.388,115.272 130.56,114.1 141.56,114.1 142.79,115.33 J5.38@145.992,115.33 ; J5.38@146.05,115.272 149.708,115.272 150.88,114.1 161.88,114.1 163.11,115.33 J6.38@166.312,115.33 ; J6.38@166.37,115.272 170.028,115.272 171.2,114.1 182.2,114.1 183.43,115.33 J7.38@186.632,115.33 ; J7.38@186.69,115.272 190.348,115.272 191.52,114.1 202.52,114.1 203.75,115.33 J8.38@206.952,115.33 ; J8.38@207.01,115.272 210.668,115.272 211.84,114.1 222.84,114.1 224.07,115.33 J9.38@227.272,115.33 ; J9.38@227.33,115.272 230.988,115.272 232.16,114.1 243.16,114.1 244.39,115.33 J10.38@247.592,115.33 ; J10.38@247.65,115.272 251.308,115.272 252.48,114.1 263.48,114.1 264.71,115.33 J11.38@267.912,115.33 ; J11.38@267.97,115.272 271.628,115.272 272.8,114.1 283.8,114.1 285.03,115.33 J12.38@288.232,115.33 ; J12.38@288.29,115.272 291.948,115.272 293.12,114.1 304.12,114.1 305.35,115.33 J13.38@308.552,115.33 ; J13.38@308.61,115.272 312.268,115.272 313.44,114.1 324.44,114.1 325.67,115.33 J14.38@328.872,115.33 ; J14.38@328.93,115.272 332.588,115.272 333.76,114.1 344.76,114.1 345.99,115.33 J15.38@349.192,115.33 ; J15.38@349.25,115.272 352.908,115.272 354.08,114.1 365.08,114.1 366.31,115.33 J16.38@369.512,115.33 ; J16.38@369.57,115.252 377.853,115.252 R11.1@378.7,116.1
  Bottom Layer w0.127: J16.38@369.57,115.252 372.947,115.252 373.238,114.962 373.238,112.784 374.384,111.638 382.016,111.638 383,112.622 383,119.5 U8.2@381.4,121.1
BUS10_P: J1.37 J2.37 J3.37 J4.37 J5.37 J6.37 J7.37 J8.37 J9.37 J10.37 J11.37 J12.37 J13.37 J14.37 J15.37 J16.37 R11.2 U8.3 | length 342.8
  Top Layer w0.127: J1.37@67.506,116.306 80.835,116.306 82.129,117.6 83.339,117.6 84.437,116.503 J2.37@87.63,116.503 ; J2.37@87.826,116.306 101.155,116.306 102.449,117.6 103.659,117.6 104.757,116.503 J3.37@107.95,116.503 ; J3.37@108.146,116.306 121.475,116.306 122.769,117.6 123.979,117.6 125.077,116.503 J4.37@128.27,116.503 ; J4.37@128.466,116.306 141.795,116.306 143.089,117.6 144.299,117.6 145.397,116.503 J5.37@148.59,116.503 ; J5.37@148.786,116.306 162.115,116.306 163.409,117.6 164.619,117.6 165.717,116.503 J6.37@168.91,116.503 ; J6.37@169.106,116.306 182.435,116.306 183.729,117.6 184.939,117.6 186.037,116.503 J7.37@189.23,116.503 ; J7.37@189.426,116.306 202.755,116.306 204.049,117.6 205.259,117.6 206.357,116.503 J8.37@209.55,116.503 ; J8.37@209.746,116.306 223.075,116.306 224.369,117.6 225.579,117.6 226.677,116.503 J9.37@229.87,116.503 ; J9.37@230.066,116.306 243.395,116.306 244.689,117.6 245.899,117.6 246.997,116.503 J10.37@250.19,116.503 ; J10.37@250.386,116.306 263.715,116.306 265.109,117.7 266.119,117.7 267.317,116.503 J11.37@270.51,116.503 ; J11.37@270.706,116.306 284.035,116.306 285.329,117.6 286.539,117.6 287.637,116.503 J12.37@290.83,116.503 ; J12.37@291.026,116.306 304.355,116.306 305.649,117.6 306.859,117.6 307.957,116.503 J13.37@311.15,116.503 ; J13.37@311.346,116.306 324.406,116.306 325.7,117.6 327.179,117.6 328.277,116.503 J14.37@331.47,116.503 ; J14.37@331.666,116.306 344.706,116.306 346,117.6 347.499,117.6 348.597,116.503 J15.37@351.79,116.503 ; J15.37@351.986,116.306 365.006,116.306 366.4,117.7 367.719,117.7 368.917,116.503 J16.37@372.11,116.503 ; J16.37@372.11,116.522 375.622,116.522 R11.2@375.9,116.8
  Bottom Layer w0.127: J16.37@372.11,116.522 373.492,115.141 373.492,112.89 374.49,111.892 381.91,111.892 382.7,112.682 382.7,118.9 381.9,119.7 U8.3@381.4,119.7
BUS11: P9.17 U8.7 U11.1B22 | length 325.1
  Top Layer w0.127: P9.17@132,209 132,207.5 132.292,207.208 133.292,207.208 U11.1B22@134.75,205.75
  Bottom Layer w0.127: U11.1B22@134.77,205.64 135.73,204.68 135.73,202.76 152.31,186.18 355.972,186.18 376.16,165.992 376.16,163.022 380.878,158.304 380.878,154.287 385.278,149.887 385.278,140.645 384.224,139.591 384.224,126.069 382.131,123.976 381.1,123.976 380.062,122.938 378.9,122.938 378.3,122.338 378.3,115.1 378.675,114.725 U8.7@380.5,114.725